# KiCad board 2000ATX.kicad_pcb (continued)
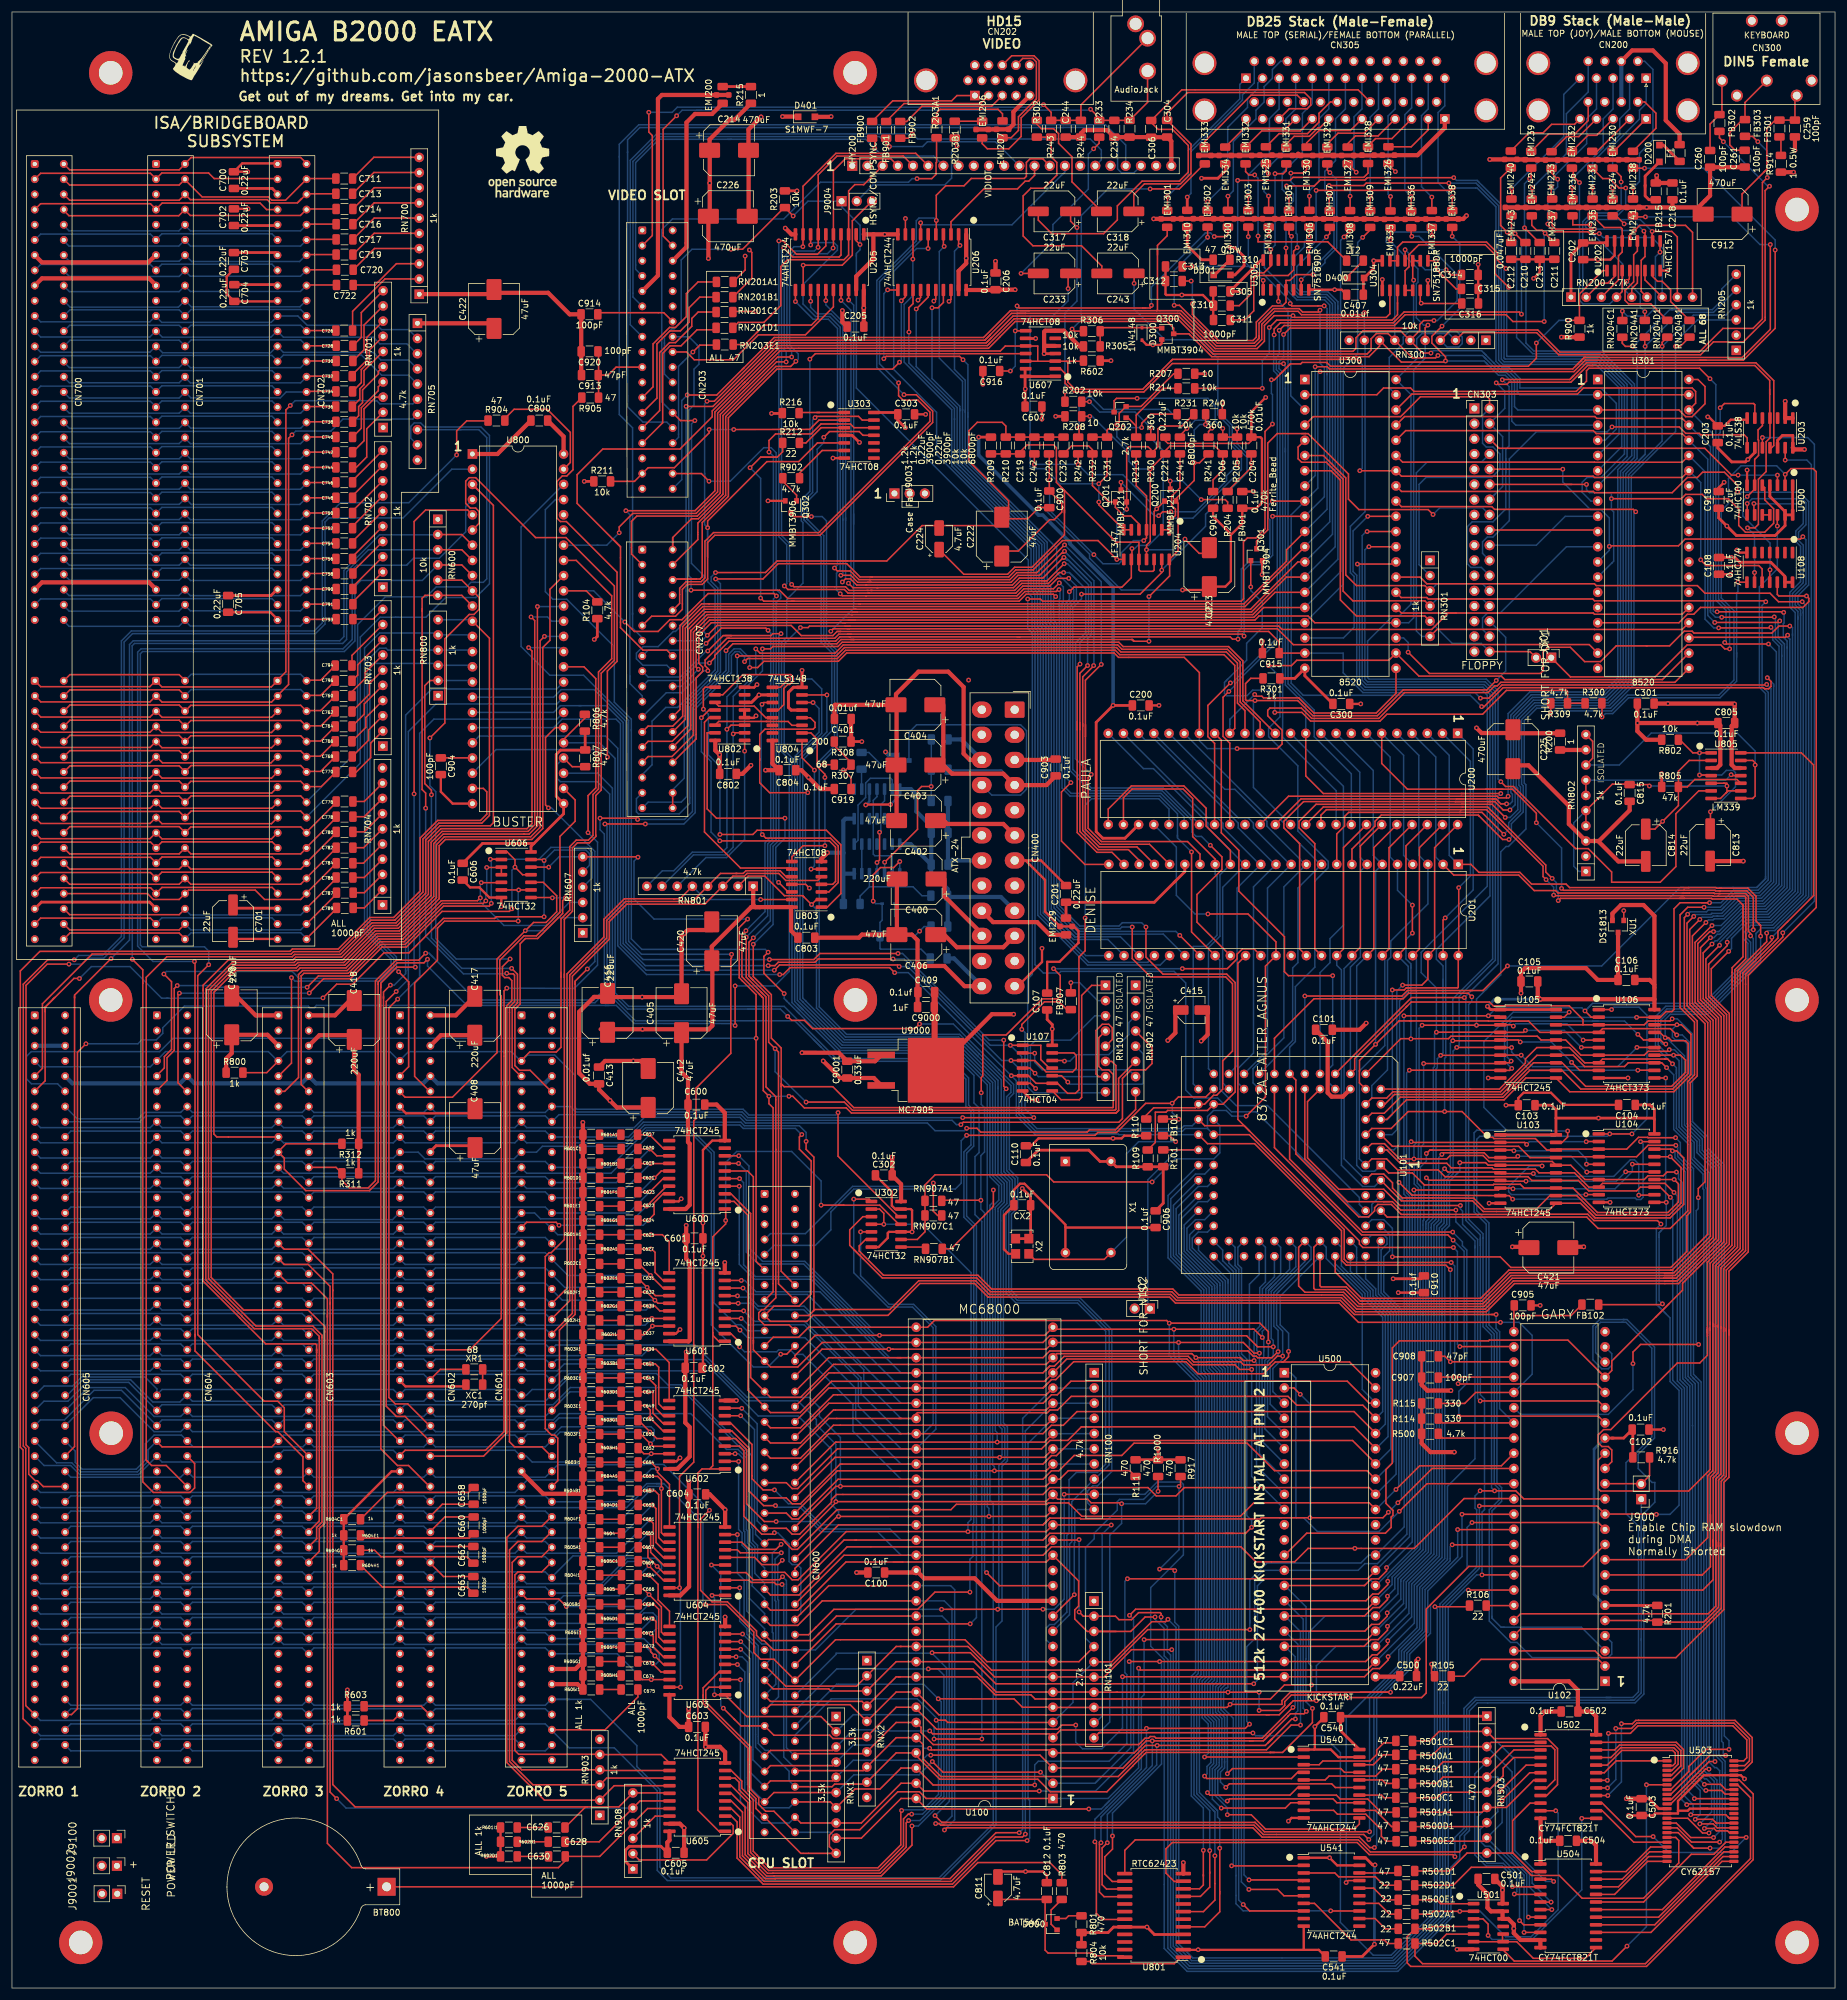
[diagram p0: board, top side]
## Routing (per net, layer and track width the routed paths; a pad name or vN(x,y) marks a point on that pad's centre or on a via; arc(x,y) is an arc through that point) (continued)
/Serial/DSR: length 103.8
  Top w0.25: U305.8 v1(216.81,290.73) ; v1(218.04,300.39) 240.6,300.39 v1(241,300.79)
  Bottom w0.25: 248.11,276.4 248.11,276.81 ; 248.11,276.4 248.11,285.95 ; 248.11,276.4 248.11,271.83 249.09,270.85 250.22,270.85 252.11,268.96 252.11,267.37 265.67,267.37 268.24,264.8 268.24,260.51 266.35,258.62 U301.5 ; 248.11,285.95 248.11,289.71 ; 248.11,285.95 248.11,286.21 ; 248.11,289.71 248.11,297.63 244.96,300.79 244.71,300.79 244.7,300.79 v1(241,300.79) ; 248.11,289.71 248.11,290.53 ; 217.64,291.56 217.17,291.08 ; 217.17,291.08 218.04,291.95 v1(218.04,300.39) ; 217.17,291.08 v1(216.81,290.73)
/Serial/DTR: length 87
  Top w0.25: U304.13 U304.12 231.65,290.88 232.51,291.74 246.53,291.74 248.36,289.92 248.36,288.75 v1(249.78,287.32)
  Bottom w0.25: U301.9 263.99,248.46 262.52,249.94 262.52,251.6 263.33,252.42 265.67,252.42 269.59,256.34 269.59,267.78 265.16,272.2 249.65,272.2 249.46,272.39 249.46,287 v1(249.78,287.32)
/Serial/RESET: length 507.5
  Top w0.25: XU1.1 v1(269.48,180.02) ; U805.2 280.42,205.13 278.62,203.33 R805.2 ; R805.2 280.11,200.71 281.35,201.95 288.41,201.95 U805.10 ; R805.2 278.62,197.59 v1(275.97,194.95) 274.68,193.66 C814.1
  In1.Cu w0.25: 154.18,12.25 156.92,12.25 164.82,4.34 276.94,4.34 293.4,20.8 293.4,156.1 v1(269.48,180.02) 269.48,188.45 v1(275.97,194.95) ; 154.18,12.25 23.57,12.25 20.07,15.75 J9001.1 ; 154.18,12.25 155.78,12.25
/Serial/RTS: length 82.4
  Top w0.25: U304.5 U304.4 232.92,286.96 233.56,287.61 233.56,289.65 235.2,291.29 246.32,291.29 247.91,289.71 247.91,286.5 v1(250.22,284.2)
  Bottom w0.25: 250.24,284.23 v1(250.22,284.2) 249.91,283.89 249.91,272.72 249.98,272.65 265.35,272.65 270.04,267.96 270.04,255.92 U301.8
/Video/_COMPSYNC: length 148.1
  Top w0.25: 97.99,279.64 C914.2 98.21,279.95 108.98,279.95 CN203.14 ; J9004.3 140.5,295.3 140.5,289.57 138.81,287.88 v1(132.28,287.88) 132.28,283.77 U205.12
  In1.Cu w0.25: v1(132.28,287.88) 131.26,287.88 130.47,288.68 122.43,288.68 ; 167.22,309.73 180.64,309.73 183.67,306.7 HY200.18 ; 167.22,309.73 167.44,309.73 ; 167.22,309.73 158.77,309.73 157.56,310.93 148.16,310.93 146.96,309.73 128.09,309.73 127.49,309.13 ; 128.11,309.72 128.08,309.72 127.49,309.13 ; 110.46,278.97 120.18,288.68 122.43,288.68 ; 127.49,309.13 121.73,303.37 121.73,289.18 122.23,288.68 122.43,288.68
/Video/BLUE: length 117.4
  Top w0.25: FB902.2 149.84,309.1 v1(150.56,309.81)
  Bottom w0.25: CN203.15 103.37,277.94 103.37,305.41 107.79,309.83 150.57,309.83 151.43,308.97 180.29,308.97 182.13,307.13 182.13,305.5 HY200.17
/Video/BURST: length 33.9
  Top w0.25: CN203.18 112.77,273.39 114.07,272.09 120.63,272.09 124.79,276.25 132.67,276.25 137.34,280.92 U205.16
/Video/COMPVID: length 175.3
  Bottom w0.25: 103.76,229.51 103.76,229.74 ; 103.76,229.74 103.76,227.25 105.38,225.63 ; 103.76,229.74 103.76,260.7 101.54,262.93 101.54,305.96 ; 101.54,305.96 101.54,308.09 104.8,311.35 182.82,311.35 186.21,307.96 HY200.19 ; 101.54,305.96 101.54,306.11
/Video/GREEN: length 95.5
  Top w0.25: v1(146.7,307.72) 146.16,308.25 146.15,308.25 FB901.2
  Bottom w0.25: HY200.12 164.41,308.52 164.41,308.52 153.06,308.52 152.26,307.72 v1(146.7,307.72) 145.04,309.38 107.98,309.38 103.82,305.22 103.82,282.57 CN203.11
/Video/PIXELSW: length 21.4
  Top w0.25: RN203E1.1 117.68,274.52 114.99,274.52 v1(113.84,273.38)
  Bottom w0.25: 112.14,271.68 111.91,271.45 ; 112.14,271.68 111.44,270.98 111.44,259.13 CN203.30 ; 112.14,271.68 v1(113.84,273.38)
/Video/RED: length 76.9
  Top w0.25: v1(144.25,307.41) 144.25,308.65 FB900.2
  Bottom w0.25: 144.62,307.05 v1(144.25,307.41) 142.74,308.93 120.25,308.93 ; 144.62,307.05 144.73,306.93 ; 144.62,307.05 145.54,306.12 154.1,306.12 HY200.7 ; 120.25,308.93 108.17,308.93 104.27,305.03 104.27,287.2 CN203.7 ; 120.25,308.93 119.67,308.93
/Video/SYNC: length 147.9
  Bottom w0.25: 102.92,265.23 102.92,266.12 ; 102.92,266.12 102.92,264.24 105.49,261.67 109.48,261.67 CN203.28 ; 102.92,266.12 102.92,283.77 ; 102.92,306.73 102.92,308.84 104.96,310.89 175.74,310.89 175.75,310.9 182.32,310.9 184.84,308.38 184.84,303.97 185.5,303.32 187.57,303.32 HY200.20 ; 102.92,306.73 102.92,306.86 ; 102.92,306.73 102.92,283.77 ; 102.92,283.44 102.92,283.77
/Zorro_Expansion/_CFGIN2: length 93
  Top w0.25: v1(27.99,166.24) 27.76,166.01 27.76,151.26 29.18,149.83 ; v1(83.59,180.34) 83.16,179.91 71.9,179.91 65.94,173.94 61.87,173.94 56.57,168.64 52.08,168.64 v1(49.71,166.27) ; U606.1 82.8,189.84 84.1,188.54 v1(84.1,187.3) 85.37,186.03 U606.11
  Bottom w0.25: v1(27.99,166.24) 49.68,166.24 v1(49.71,166.27) ; v1(83.59,180.34) 83.59,186.79 v1(84.1,187.3)
/Zorro_Expansion/_CFGIN3: length 65.3
  Top w0.25: 49.5,149.83 48.35,150.98 48.35,169.11 ; v1(79.22,181.66) 78.8,181.24 71.96,181.24 65.56,174.84 61.5,174.84 56.22,169.56 48.81,169.56 48.35,169.11 ; v1(79.38,187.25) 81.78,187.25 U606.3 U606.4 ; 48.35,169.11 48.35,169.16
  Bottom w0.25: v1(79.38,187.25) 79.38,182.98 79.22,182.83 v1(79.22,181.66)
/Zorro_Expansion/_CFGIN4: length 54.1
  Top w0.25: 69.82,149.83 67.32,152.34 67.32,167.93 71.13,171.75 71.13,177.1 72.31,178.28 v1(84.63,178.28) ; U606.9 v1(84.71,183.49) U606.6
  Bottom w0.25: v1(84.63,178.28) 84.63,183.41 v1(84.71,183.49)
/Zorro_Expansion/_CFGIN5: length 46.3
  Top w0.25: 90.14,149.83 86.62,153.35 84.87,153.35 84.08,154.14 84.08,163.56 84.96,164.44 84.96,174.5 85.83,175.37 87.87,175.37 92.07,179.56 92.07,181.7 v1(92.53,182.17) ; U606.8 90.3,182.22 v1(90.35,182.17)
  Bottom w0.25: v1(90.35,182.17) 92.48,182.17
/Zorro_Expansion/_CFGOUT1: length 137.1
  Top w0.25: 7.09,165.46 6.91,165.28 ; 6.91,165.28 5.54,163.91 5.54,163.18 ; 6.91,165.28 7.19,165.56 ; v1(51.99,165.46) 54.28,167.74 56.95,167.74 62.18,172.97 66.37,172.97 72.13,178.73 80.71,178.73 80.99,179.01 v1(88.96,179.01) ; 3.78,149.83 5.54,151.59 5.54,163.18 ; v1(88.96,188.4) 88.8,188.57 U606.13 87.75,188.57 ; 5.54,163.18 5.54,163.89 10.36,168.71 11.25,168.71
  Bottom w0.25: RN607.5 96.55,187.61 96.55,189.57 95.97,190.15 90.71,190.15 v1(88.96,188.4) v1(88.96,179.01) ; 25.83,165.4 26.06,165.4 ; 26.06,165.4 25.02,165.4 19.74,170.68 13.28,170.68 v1(11.28,168.68) ; 26.06,165.4 51.93,165.39 v1(51.99,165.46)
/Zorro_Expansion/_CFGOUT2: length 111.7
  Top w0.25: 27.71,167.59 v1(27.64,167.51) 27.13,167 27.13,156.66 25.93,155.46 25.93,151.66 24.1,149.83 ; v1(79.98,188.62) 81.78,188.62 U606.2 ; v1(80.14,181.25) 79.83,180.79 72.15,180.79 65.75,174.39 61.68,174.39 56.41,169.11 51.23,169.11 v1(49.35,167.23)
  Bottom w0.25: v1(49.35,167.23) 34.42,167.23 34.14,167.51 v1(27.64,167.51) ; RN607.4 97,185.52 97,189.75 96.15,190.6 90.09,190.6 88.11,188.62 v1(79.98,188.62) 80.14,188.47 v1(80.14,181.25)
/Zorro_Expansion/_CFGOUT3: length 84.6
  Top w0.25: 44.42,149.83 45.59,149.83 47.9,152.15 47.9,169.35 48.57,170.01 56.03,170.01 61.31,175.29 65.13,175.29 ; v1(78.46,184.71) 81.78,184.71 U606.5 ; v1(78.31,182.17) 77.83,181.69 71.78,181.69 69.65,179.56 69.61,179.56 65.33,175.29 65.13,175.29 ; 65.13,175.29 65.38,175.29
  Bottom w0.25: RN607.3 93.19,181.41 89.34,177.56 82.25,177.56 78.31,181.5 v1(78.31,182.17) 78.31,184.56 v1(78.46,184.71)
/Zorro_Expansion/_CFGOUT4: length 67.1
  Top w0.25: U606.10 88.83,184.76 91.07,182.52 91.07,179.84 89.29,178.05 87.2,178.05 v1(85.83,176.68) 81.1,171.96 81.1,156.31 73.65,148.85 65.72,148.85 64.74,149.83
  Bottom w0.25: v1(85.83,176.68) 89.1,176.68 91.29,178.87 RN607.2
_AS: length 476.7
  Top w0.25: U102.13 252.77,81.74 251.42,83.08 v1(247.88,83.08) v1(245.47,83.08) ; v1(148.74,29.67) 148.6,29.53 148.6,23.92 144.77,20.09 126.68,20.09 124.6,22.17 124.6,22.2 123.93,22.86 123.93,31.46 122.02,33.37 122.02,34.58 120.25,36.35 U605.9 ; v1(154.52,44.75) 156.07,44.75 156.44,44.39 U100.6 ; RN101.5 183.86,54.51 190.57,61.22 192.87,61.22 v1(193.27,61.62) ; v1(244.07,165.63) 243.47,166.23 233.5,166.23 232.58,165.31 217.69,165.31 211.07,158.7 U101.24
  Bottom w0.25: 194.63,9.39 194.63,7.17 197.22,4.59 230.95,4.59 238.75,12.38 238.75,49.29 238.75,64.17 244.89,70.32 244.89,79.92 244.61,80.2 244.61,82.23 v1(245.47,83.08) ; 194.63,9.39 194.63,8.83 ; 194.63,9.39 194.63,59.55 ; RN101.5 177.39,51 177.39,47.73 U100.6 ; 245.94,125.29 245.94,110.52 247.37,109.1 247.37,83.59 v1(247.88,83.08) ; 245.94,125.29 245.94,126.04 243.53,128.46 243.53,164.34 244.07,164.88 v1(244.07,165.63) ; 245.94,125.29 245.94,125.46 ; 194.63,59.55 194.63,60.26 v1(193.27,61.62) ; 194.63,59.55 194.63,54.98 ; CN600.74 130.91,42.26 136.98,48.33 151.36,48.33 154.52,45.17 v1(154.52,44.75) 154.91,44.36 154.91,32.37 152.33,29.78 148.86,29.78 v1(148.74,29.67)
_BAS: length 373.8
  Top w0.25: U605.11 108.53,39.01 RN903.5 98.23,39.05 84.72,39.05 84.08,39.69 84.08,69.03 84.59,69.53 88.58,69.53 90.14,71.09 ; C663.2 72.16,68.76 69.82,71.09 ; 52.28,109.64 52.28,77.68 51.38,76.78 51.38,72.97 49.5,71.09 ; 52.28,109.64 52.28,109.77 ; 52.28,109.64 52.28,110.27 ; 52.28,110.27 52.28,110.53 49.52,113.29 38.75,113.29 33.31,118.74 33.31,166.58 37.19,170.46 47.54,170.46 47.99,170.91 55.66,170.91 60.94,176.19 64.96,176.19 70.97,182.2 70.97,191.07 72.28,192.37 86.72,192.37 88.3,193.95 88.3,225.13 v1(89.03,225.86) ; 52.28,110.27 52.28,110.4
  Bottom w0.25: 8.86,71.09 9.84,72.07 28.2,72.07 29.18,71.09 30.16,72.07 48.52,72.07 49.5,71.09 50.48,72.07 68.84,72.07 69.82,71.09 70.8,72.07 89.16,72.07 90.14,71.09 ; v1(89.03,225.86) U800.36
_BEER: length 320.6
  Top w0.25: 81.81,165 81.81,165.35 ; 81.81,165 81.81,111.9 76.57,106.65 69.82,106.65 ; 81.81,165 81.81,165.76 81.55,166.02 81.55,171.77 85.6,175.82 87.69,175.82 91.62,179.75 91.62,192.43 94.16,194.97 94.16,198.53 U800.26 ; CN600.46 130.91,77.01 137.73,83.84 v1(138.51,83.84) 172.85,83.82 U100.22 175.17,85.01 176.61,86.45 186.87,86.45 R111.2
  Bottom w0.25: 138.51,83.8 v1(138.51,83.84) 138.51,92 134.99,95.51 134.99,97.04 133.33,98.7 122.92,98.7 114.17,107.46 90.95,107.46 90.14,106.65 89.16,107.63 70.8,107.63 69.82,106.65 68.84,107.63 50.48,107.63 49.5,106.65 48.52,107.63 30.16,107.63 29.18,106.65 28.2,107.63 9.84,107.63 8.86,106.65
_BG: length 258.8
  Top w0.25: v1(148.13,172.87) 135.08,172.87 134.06,171.86 v1(126.64,171.86) ; v1(165.81,158.39) 165.81,150.67 v1(166.22,150.27)
  Bottom w0.25: U100.11 172.92,58.2 172.92,60.15 173.5,60.74 174.29,60.74 176.37,62.82 176.37,75.66 176.73,76.02 176.73,84.94 177.96,86.16 181.49,86.16 182.84,87.51 182.86,105.83 182.86,109.75 178.16,114.45 167.89,114.45 166.2,116.14 166.2,129.69 167.25,130.73 167.25,135.01 165.85,136.41 165.85,149.9 v1(166.22,150.27) ; v1(126.64,171.86) 105.5,171.86 102.63,174.73 102.63,211.67 97.33,216.97 91.83,216.97 90.56,215.7 U800.17 ; v1(165.81,158.39) 163.37,158.39 148.89,172.87 v1(148.13,172.87)
_BGACK: length 711.1
  Top w0.25: v1(172.36,63.3) v1(164.8,63.29) v1(155.42,63.28) ; v1(134.26,262.41) 134.48,262.63 141.53,262.63 142.16,262 144.11,262 144,261.9 ; v1(116.61,79.83) 115.13,78.35 115.13,66.45 117.05,64.53 119.62,64.53 124.48,59.67 124.48,58.94 125.36,58.06 125.74,58.06 127.3,56.5 CN600.62 ; RN100.9 v1(175.92,82.5)
  Bottom w0.25: 49.5,86.33 50.48,85.35 68.84,85.35 69.82,86.33 70.8,85.35 89.16,85.35 91.25,87.44 105.68,87.44 105.73,87.49 108.95,87.49 v1(116.61,79.83) ; 132.42,245.34 132.42,245.48 ; 132.42,245.34 132.42,245.48 ; 132.42,245.34 132.7,245.07 ; 132.42,245.34 135.28,242.49 135.28,224.91 137.07,223.12 137.07,210.08 132.21,205.22 132.21,165.43 132.7,164.94 132.7,164.94 139.17,158.46 140.09,158.46 158.07,158.46 164.85,151.68 164.85,150.27 ; 132.42,245.48 132.42,248.48 133.86,249.91 133.86,260.86 ; v1(175.92,82.5) 175.92,64.97 174.24,63.3 v1(172.36,63.3) ; 243.22,41.85 243.22,46.55 244.77,48.1 270.67,48.1 ; 243.22,41.85 243.22,41.97 ; 243.22,41.85 243.22,26.51 242.05,25.35 242.05,21.68 240.58,20.21 240.58,11.67 231.7,2.79 196.47,2.79 192.64,6.62 192.64,17.3 192.64,54.86 190.38,57.12 190.38,66.91 195.85,72.38 195.85,84.17 195.47,84.55 191.45,84.55 189.4,82.5 RN100.9 ; 164.85,150.27 164.85,150.62 ; 164.85,150.27 164.85,136.13 166.35,134.64 166.35,131.1 165.3,130.06 165.3,128.22 165.3,94.26 165.98,93.58 165.98,88.31 165,87.33 165,63.49 v1(164.8,63.29) ; CN604.62 30.29,85.35 48.65,85.35 CN603.62 ; 133.86,260.86 133.86,261.38 133.85,261.39 133.85,261.99 v1(134.26,262.41) ; 133.86,260.86 133.86,261.01 ; CN600.62 134.34,56.5 141.12,63.28 147.23,63.28 ; 272.39,58.32 272.39,49.31 271.18,48.1 270.67,48.1 ; 272.39,58.32 J900.1 ; 272.39,58.32 272.39,58.06 ; 270.67,48.1 271.05,48.1 ; 29.18,86.33 28.2,85.35 9.84,85.35 8.86,86.33 ; 147.03,63.28 147.23,63.28 ; 147.23,63.28 v1(155.42,63.28)
_BHS: length 191.1
  Top w0.25: v1(136.91,226.72) 137.32,227.13 140,227.13 ; 140,227.13 211.57,227.13 214.23,224.48 231.93,224.48 231.95,224.49 263.7,224.49 U301.19 ; 140,227.13 139.65,227.13 ; U205.18 v1(139.88,282.07)
  Bottom w0.25: 140.72,246.29 140.72,230.54 v1(136.91,226.72) ; 140.72,246.29 140.72,244.56 ; 140.72,246.29 140.72,281.22 v1(139.88,282.07)
_BLDS: length 383
  Top w0.25: U605.13 99.42,35.08 RN903.3 98.24,33.97 87.09,33.97 83.18,37.87 83.18,73.2 84.59,74.61 88.58,74.61 90.14,76.17 ; C660.2 72.37,78.72 69.82,76.17 ; 49.5,76.17 51.38,78.05 51.38,108.53 ; 51.38,108.53 51.38,108.76 ; 51.38,108.53 51.38,108.89 50.1,110.17 40.53,110.17 38.49,112.21 38.49,112.24 32.41,118.32 32.41,166.6 ; 32.41,166.6 32.41,166.95 36.82,171.36 47.17,171.36 47.62,171.81 55.29,171.81 60.57,177.09 64.59,177.09 70.07,182.58 70.07,191.44 71.91,193.27 86.28,193.27 87.4,194.39 87.4,228.5 v1(86.79,229.11) ; 32.41,166.6 32.41,166.74
  Bottom w0.25: 90.14,76.17 89.16,77.15 70.8,77.15 69.82,76.17 68.84,77.15 50.48,77.15 49.5,76.17 48.52,77.15 30.16,77.15 29.18,76.17 28.2,77.15 9.84,77.15 8.86,76.17 ; U800.37 90.25,228.4 89.53,229.11 v1(86.79,229.11)
_BOSS: length 227
  Top w0.25: U800.39 96.02,233.48 R104.2 ; v1(126.57,256.67) 126.57,258.6 127.66,259.69 133.6,259.69 135.27,261.36 140.18,261.36 140.8,260.73 U303.12 ; 127.7,140.15 127.7,148.94 126.06,150.58 126.06,165.62 125.49,166.19 ; 127.7,140.15 127.7,139.99 ; 127.7,140.15 127.7,115.34 125.72,113.36 125.36,113.36 124.85,112.85 124.85,111.76 125.79,110.82 129.93,110.82 130.8,109.96 ; v1(122.76,175.6) 122.76,168.92 125.49,166.19 ; 125.16,166.52 125.49,166.19 ; v1(102.46,228.27) 104.05,226.69 108.03,226.69 109.99,228.65 112.02,228.65 116.39,233.01 127.41,233.01 v1(127.81,232.61)
  Bottom w0.25: 127.31,229.96 127.31,232.11 v1(127.81,232.61) 127.31,233.11 127.31,255.95 126.59,256.67 ; 127.31,229.96 127.31,230.18 ; 127.31,229.96 127.31,192.13 126.35,191.16 126.35,179.18 v1(122.76,175.6) ; U800.39 97.26,233.48 v1(102.46,228.27)
_BR: length 230
  Top w0.25: v1(129.69,162.36) 130.35,161.7 132.49,161.7 133.86,160.32 150.98,160.32 v1(151.74,161.09) ; U100.13 v1(177.61,65.72)
  Bottom w0.25: 123.04,163.58 128.47,163.58 v1(129.69,162.36) ; 123.04,163.58 102.92,163.58 100.38,166.12 100.38,200.51 97.89,203 U800.27 ; 123.04,163.58 125.12,163.58 ; v1(151.74,161.09) 157.38,161.09 165,153.47 ; 165,153.47 165.09,153.37 165.09,153.37 ; 165,153.47 167.46,151 167.46,149.48 166.75,148.76 166.75,136.78 168.15,135.38 168.15,130.36 167.1,129.31 167.1,116.54 168.29,115.35 178.53,115.35 183.89,109.99 183.89,108.04 183.89,86.31 181.49,83.91 180.7,83.91 179.82,83.04 179.82,81.08 RN100.10 178.16,79.96 177.68,79.49 177.68,74.43 177.61,74.36 v1(177.61,65.72)
_BRST: length 274.6
  Top w0.25: 282.3,238.66 283.26,237.69 292.05,237.69 292.61,237.13 U108.10 ; 190.16,268.26 193.76,271.87 ; 190.16,268.26 189.04,267.15 177.73,267.15 176.52,268.36 176.52,271.64 176.33,271.83 ; 190.16,268.26 189.55,267.66 ; 193.76,271.87 193.99,272.09 ; 193.76,271.87 194.04,272.15 224.88,272.15 v1(225.3,271.73) ; U301.34 279.24,252.42 264.59,252.42 264.38,252.62 232.32,252.62 U300.34 v1(225.35,253.54) ; v1(101.52,243.18) 101.52,244.14 103.79,246.41 114.38,246.41 117.98,250 117.98,263.11 ; 171.5,271.83 171.5,274.37 166.07,274.37 165.25,273.55 128.38,273.55 123.04,268.22 ; 171.5,271.83 169.38,271.83 ; 171.5,271.83 176.33,271.83 ; 176.33,271.83 179.04,271.83 R602.2 ; 123.04,268.22 121.1,266.27 121.08,266.27 118,263.18 ; 123.04,268.22 122.13,267.3
  Bottom w0.25: 97.87,241.1 98.02,241.1 ; 97.87,241.1 U800.42 ; 97.87,241.1 99.44,241.1 v1(101.52,243.18) ; v1(282.35,238.66) 282.35,251.56 U301.34 ; v1(225.3,271.73) 225.75,271.28 225.75,253.94 v1(225.35,253.54)
_BUDS: length 380.5
  Top w0.25: U605.12 98.4,36.35 RN903.4 85.21,36.47 83.63,38.05 83.63,71.11 84.59,72.07 88.58,72.07 90.14,73.63 ; C662.2 69.98,73.79 69.82,73.63 ; 85.56,192.82 72.09,192.82 70.52,191.25 70.52,182.39 64.77,176.64 60.75,176.64 55.48,171.36 47.8,171.36 47.35,170.91 37.01,170.91 ; 85.56,192.82 85.71,192.82 ; 85.56,192.82 86.47,192.82 87.85,194.2 ; 87.85,194.62 v1(87.85,230.84) ; 87.85,194.62 87.85,194.2 ; 87.85,194.62 87.85,194.2 ; 36.98,170.88 37.01,170.91 ; 37.01,170.91 32.86,166.76 32.86,118.5 32.91,118.5 40.78,110.62 50.29,110.62 51.83,109.08 51.83,108.7 ; 51.83,108.7 51.83,77.87 50.93,76.97 50.93,75.06 49.5,73.63 ; 51.83,108.7 51.83,108.95
  Bottom w0.25: 90.14,73.63 89.16,74.61 70.8,74.61 69.82,73.63 68.84,74.61 50.48,74.61 49.5,73.63 48.52,74.61 30.16,74.61 29.18,73.63 28.2,74.61 9.84,74.61 8.86,73.63 ; v1(87.85,230.84) 92.13,230.84 U800.38
_BUSRST: length 482.3
  Top w0.25: 8.86,45.69 9.96,45.69 10.95,46.69 10.95,156.36 v1(12.37,157.78) ; R603.2 68.43,47.09 69.82,45.69 ; v1(120.91,167.45) v1(120.91,160.84) ; v1(133.4,272.19) 134.32,273.1 169.38,273.1
  Bottom w0.25: 99.18,164.19 99.84,164.19 ; 99.18,164.19 101.04,164.19 104.05,161.18 120.35,161.16 120.67,160.84 v1(120.91,160.84) ; 99.18,164.19 50.89,164.19 50.51,163.82 49.82,163.82 49.55,164.08 28.83,164.08 25.21,160.47 25.21,159.52 24.12,158.43 21.71,158.43 21.06,157.78 v1(12.37,157.78) ; 90.14,45.69 89.16,46.67 70.8,46.67 69.82,45.69 68.84,46.67 50.48,46.67 49.5,45.69 48.52,46.67 30.16,46.67 29.18,45.69 28.2,46.67 9.84,46.67 8.86,45.69 ; v1(133.4,272.19) 133.4,261.2 133.41,261.2 133.41,250.1 131.97,248.66 131.97,245.16 132.25,244.88 132.25,234.76 129.54,232.05 129.54,225.7 128.66,224.83 128.66,206.61 129.96,205.31 129.96,169.88 127.53,167.45 v1(120.91,167.45)
_C2: length 5.3
  Top w0.25: C904.1 76.96,205.57 U800.21
_C4: length 15.7
  Top w0.25: R905.1 98.07,273.38 C920.1 ; CN203.19 101,270.85 99.67,269.52 C913.1
_CASL: length 130.9
  Top w0.25: v1(220.48,12.9) 220.5,12.88 U541.13
  Bottom w0.25: v1(220.48,12.9) 205.84,12.9 204.64,14.09 204.64,15.46 204.64,18.77 204.64,104.27 203.77,105.15 203.77,119.42 U101.54
_CASU: length 123.5
  Top w0.25: 215.95,12.85 U541.8 206.93,12.88 v1(205.86,13.95)
  Bottom w0.25: U101.55 202.42,123.31 202.42,121.53 204.22,119.73 204.22,105.36 205.09,104.48 205.09,14.71 v1(205.86,13.95)
_CBG: length 245.5
  Top w0.25: R806.1 95.78,212.2 92.23,208.65 U800.29 ; CN600.64 137.8,60.85 v1(160.21,60.85)
  Bottom w0.25: 161.25,85.61 161.25,127.35 159.61,128.99 159.61,139.51 160.79,140.7 160.79,146.68 159.94,147.53 159.94,152.08 156.7,155.31 137.83,155.31 129.11,164.03 103.11,164.03 100.83,166.31 100.83,205.48 98.23,208.08 U800.29 ; 161.25,85.61 161.25,85.66 ; 161.25,85.61 161.25,61.89 v1(160.21,60.85)
_CBR: length 238.9
  Top w0.25: R807.1 93.68,204.09 U800.28 ; CN600.60 133.18,59.04 134.45,60.31 ; 134.45,60.31 137.42,63.28 151.43,63.28 154.31,66.16 v1(160.16,66.16) 160.11,66.11 ; 134.45,60.31 134.18,60.04
  Bottom w0.25: v1(160.16,66.16) 160.16,71.64 160.67,72.15 160.67,77.61 160.8,77.74 160.8,127.17 159.16,128.81 159.16,139.7 160.34,140.88 160.34,146.49 159.49,147.35 159.49,151.87 156.49,154.86 137.64,154.86 135.3,157.2 ; U800.28 91.1,204.41 91.1,202.17 91.69,201.58 97.86,201.58 99.93,199.51 99.93,165.93 104.24,161.63 130.87,161.63 135.3,157.2 ; 135.3,157.2 134.01,158.5
_CDAC: length 298.7
  Top w0.25: U102.26 251.05,107.19 v1(242.06,107.19) ; v1(166.93,157.53) U107.1 172.01,157.53 172.01,155.14 173.43,153.72 173.92,153.72 ; U201.34 204.96,171.23 204.96,145.16 206.88,143.23 ; v1(147.32,171.96) 134.8,171.96 134.25,171.41 128.12,171.41 127.55,170.84 v1(126.44,170.84) ; U101.37 199.41,144.1 206.01,144.1 206.88,143.23 ; v1(241,123.75) 225.85,123.75 225.28,124.32 225.28,124.84 206.88,143.23
  Bottom w0.25: 94.81,214.28 99.38,214.28 102.18,211.48 102.18,174.54 105.88,170.84 v1(126.44,170.84) ; 94.81,214.28 91.69,214.28 90.56,213.16 U800.18 ; 94.81,214.28 95.17,214.28 ; v1(242.06,107.19) 241.66,107.59 241.66,123.08 v1(241,123.75) ; U101.37 197.32,144.08 195.97,144.08 195.5,143.61 171.35,143.61 168.81,146.15 168.81,155.65 v1(166.93,157.53) 163.58,157.53 149.7,171.41 149.7,171.43 149.17,171.96 v1(147.32,171.96)
_CIPL0: length 145.8
  Top w0.25: v1(122.49,206.69) U802.1 ; v1(125.48,223.77) 126.81,223.77 127.2,224.17 138.09,224.17 138.8,224.88 185.05,224.88 185.78,224.15 203.4,224.15 205.79,221.76 205.79,215.09 U200.13
  Bottom w0.25: v1(125.48,223.77) 125.48,220.09 122.49,217.11 v1(122.49,206.69) 122.49,191.91 119.48,188.9 116.03,188.9 RN801.6
_CIPL1: length 147.6
  Top w0.25: 120.57,209.55 v1(120.59,209.56) 120.78,209.75 U802.2 ; v1(124.36,223.77) 125.08,223.05 137.61,223.05 138.99,224.43 184.86,224.43 185.59,223.7 203.22,223.7 205.34,221.58 205.34,214.9 208.69,211.56 U200.14
  Bottom w0.25: RN801.7 113.94,189.35 119.3,189.35 120.57,190.63 120.57,209.55 ; v1(124.36,223.77) 124.36,219.61 120.59,215.84 v1(120.59,209.56)
_CIPL2: length 149.6
  Top w0.25: v1(119.53,210.34) 120.22,211.02 122.46,211.02 ; U200.15 206.15,213.46 204.89,214.71 204.89,221.39 203.03,223.25 185.41,223.25 184.67,223.98 139.18,223.98 137.79,222.6 v1(121.26,222.6)
  Bottom w0.25: RN801.8 108.74,186.69 110.64,186.69 113.75,189.8 118.77,189.8 119.53,190.56 v1(119.53,210.34) 119.53,215.77 121.26,217.5 v1(121.26,222.6)
_CLKRD: length 191.8
  Top w0.25: 195.35,17.81 194.33,17.81 192.94,19.2 192.94,23.27 193.98,24.31 224.91,24.31 226.93,22.29 240.9,22.29 v1(241.25,21.95)
  Bottom w0.25: 266.54,48.55 244.58,48.55 242.77,46.73 242.77,26.7 241.25,25.18 v1(241.25,21.95) ; 266.54,48.55 267.32,48.55 ; 266.54,48.55 270.99,48.55 271.94,49.5 271.94,77.17 269.85,79.26 269.85,87.78 274.17,92.1 274.17,106.92 269.84,111.25 269.19,111.25 ; U102.22 264.77,106.17 264.77,110.4 ; 264.77,110.4 264.89,110.52 ; 264.77,110.4 264.89,110.52 ; 264.89,110.52 265.62,111.25 269.19,111.25 ; 269.19,111.25 269.46,111.25
_CLKWR: length 203.5
  Top w0.25: 186.05,19.08 186.05,23.01 187.81,24.76 225.1,24.76 227.11,22.74 242.04,22.74 242.04,22.79 v1(242.84,23.59)
  Bottom w0.25: 269.39,111.7 265.43,111.7 264.32,110.59 264.32,104.96 265.8,103.47 266.88,103.47 267.47,104.06 267.47,106.01 U102.23 ; 269.39,111.7 269.65,111.7 ; 269.39,111.7 270.02,111.7 274.62,107.11 274.62,91.91 271.88,89.18 271.88,86.81 274.21,84.48 274.68,84.48 274.68,81.18 272.84,79.34 272.84,49.12 271.37,47.65 245,47.65 243.67,46.32 243.67,26.32 242.84,25.5 v1(242.84,23.59)
_COPCFG: length 242.6
  Top w0.25: v1(89.74,187.3) U606.12 87.75,187.3 ; RN607.6 104.6,189.03 v1(104.66,188.97) ; v1(123,178.62) 121.59,177.21 121.59,168.82 124.4,166 124.4,121.43 CN600.11
  Bottom w0.25: 104.68,188.99 v1(104.66,188.97) 104,188.31 104,181.98 107.35,178.62 v1(123,178.62) ; CN605.12 7.63,151.09 3.26,151.09 2.41,151.94 2.41,155.67 3.22,156.47 24.7,156.47 26.93,158.7 v1(124.41,158.7) ; RN607.6 91.47,189.03 v1(89.74,187.3)
_CSYNC: length 248.3
  Top w0.25: U201.32 197.21,176.47 197.21,190 ; 142.87,232.64 142.7,232.64 ; 142.87,232.64 168.02,232.64 169.18,233.81 174.12,233.81 v1(175.11,234.8) ; 142.87,232.64 138.81,232.64 v1(138.48,232.97) ; U205.8 v1(133.53,291.26)
  Bottom w0.25: 194.86,192.34 194.86,192.64 ; 194.86,192.64 194.86,196.22 191.91,199.18 176.89,199.18 175.57,200.51 175.57,231.41 175.78,231.63 175.78,234.12 v1(175.11,234.8) ; 194.86,192.64 194.86,192.18 v1(197.21,189.84) ; v1(138.48,232.97) 137.86,233.59 137.86,236.42 138.47,237.03 138.47,277.53 136.7,279.31 134.35,279.31 132.26,281.4 132.26,284.65 137.04,289.43 ; v1(133.53,291.26) 133.93,291.66 137.45,291.66 138.01,291.1 138.01,290.41 137.04,289.43 ; U101.80 225.28,130.93 225.28,132.1 209.92,147.46 204.68,147.46 201.95,150.19 201.95,171.73 U201.32 ; 137.04,289.43 136.91,289.31
_CUTOFF: length 49.5
  Top w0.25: R214.1 v1(209.04,267.31) ; U304.3 231.65,281.58 ; 231.65,281.58 231.65,279.6 230.76,278.71 211.45,278.71 v1(210.21,277.47) ; 231.65,281.58 231.65,280.39
  Bottom w0.25: v1(209.04,267.31) 209.04,271.98 210.21,273.15 v1(210.21,277.47)
_D2P: length 336.7
  Top w0.25: U604.1 v1(117.04,65.61) ; v1(117.45,49) U603.1 122.87,45.36 135.26,45.36 RNX1.2 ; v1(126.42,173.09) 125.72,172.38 125.72,169.56 v1(129.11,166.17) ; v1(154.17,41.61) v1(162.15,41.61)
  Bottom w0.25: v1(117.45,49) 117.45,65.2 v1(117.04,65.61) ; U800.45 90.86,248.72 89.18,247.04 89.18,233.32 90.44,232.06 92.77,232.06 100.71,224.12 100.71,214.86 103.55,212.03 103.55,210.25 ; 103.55,210.25 103.55,210.11 ; 103.55,210.25 103.55,175.32 105.31,173.56 125.95,173.56 v1(126.42,173.09) ; v1(154.17,41.61) 154.17,43.67 152.16,45.68 140.65,45.68 RNX1.2 ; 131.63,162.82 138.24,156.21 157.14,156.21 160.84,152.51 160.84,147.9 161.69,147.05 161.69,139.61 161.01,138.93 161.01,129.24 162.15,128.09 v1(162.15,41.61) ; 131.63,162.82 129.6,164.85 ; 131.63,162.82 131.2,163.25 ; 162.15,52.58 162.15,52.32 ; 129.6,164.85 129.11,165.34 v1(129.11,166.17) ; 129.6,164.85 129.41,165.04
